# Altium PCB AL115v20_pcb.PcbDoc (part 1 of 2)
Units mm, origin at the board's own origin, x right, y up, seen from the top; angles counter-clockwise.
Board outline 108 x 108 mm, 2 copper layers (Top Layer, Bottom Layer); 126 components, 100 nets, 340 pads, 31 vias.
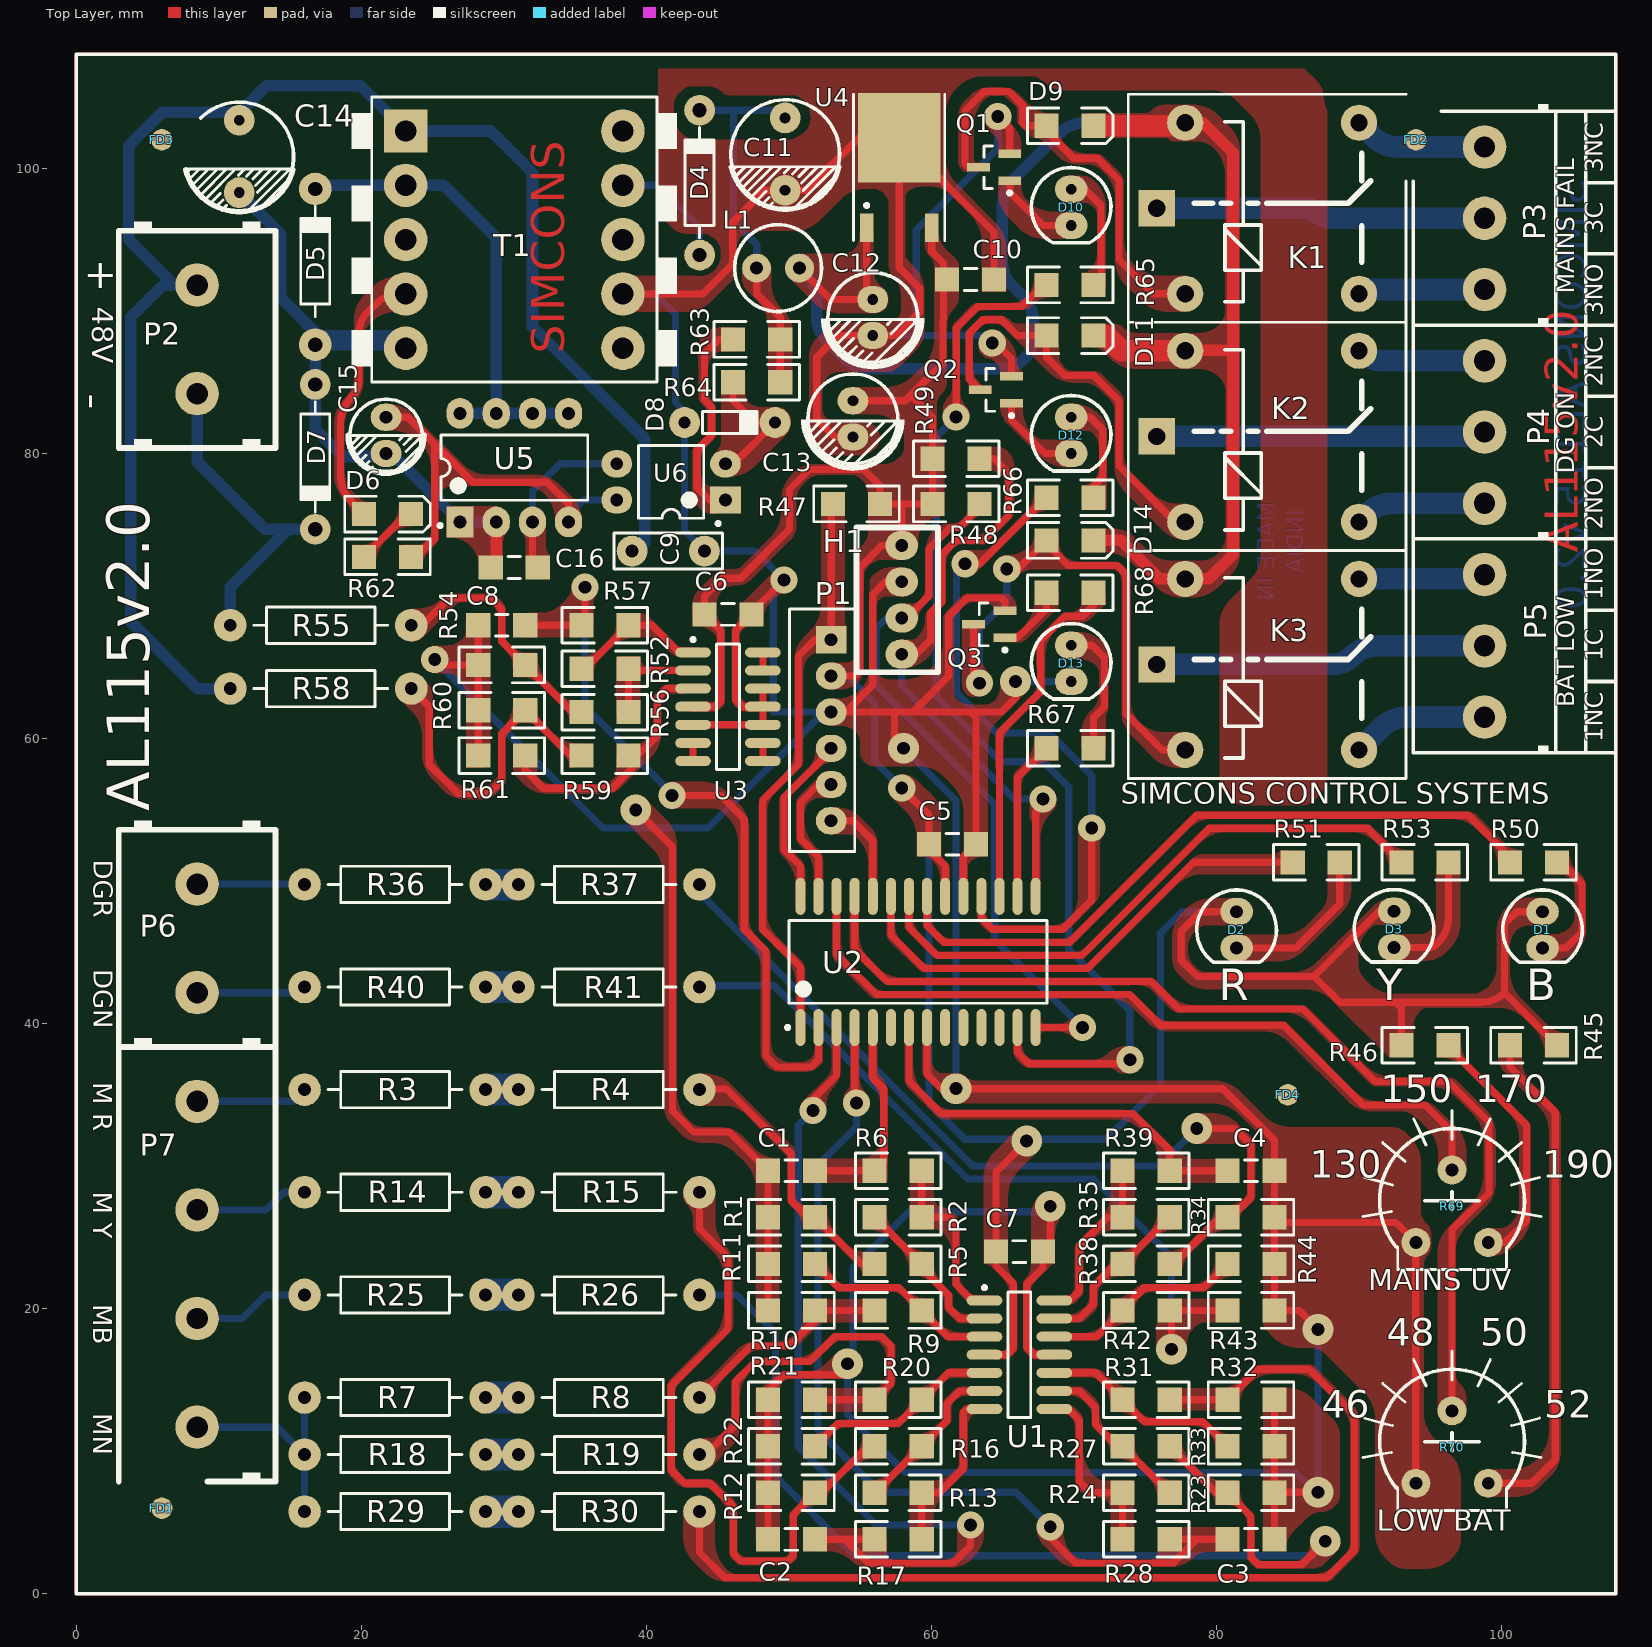
[diagram p0: Top Layer view]
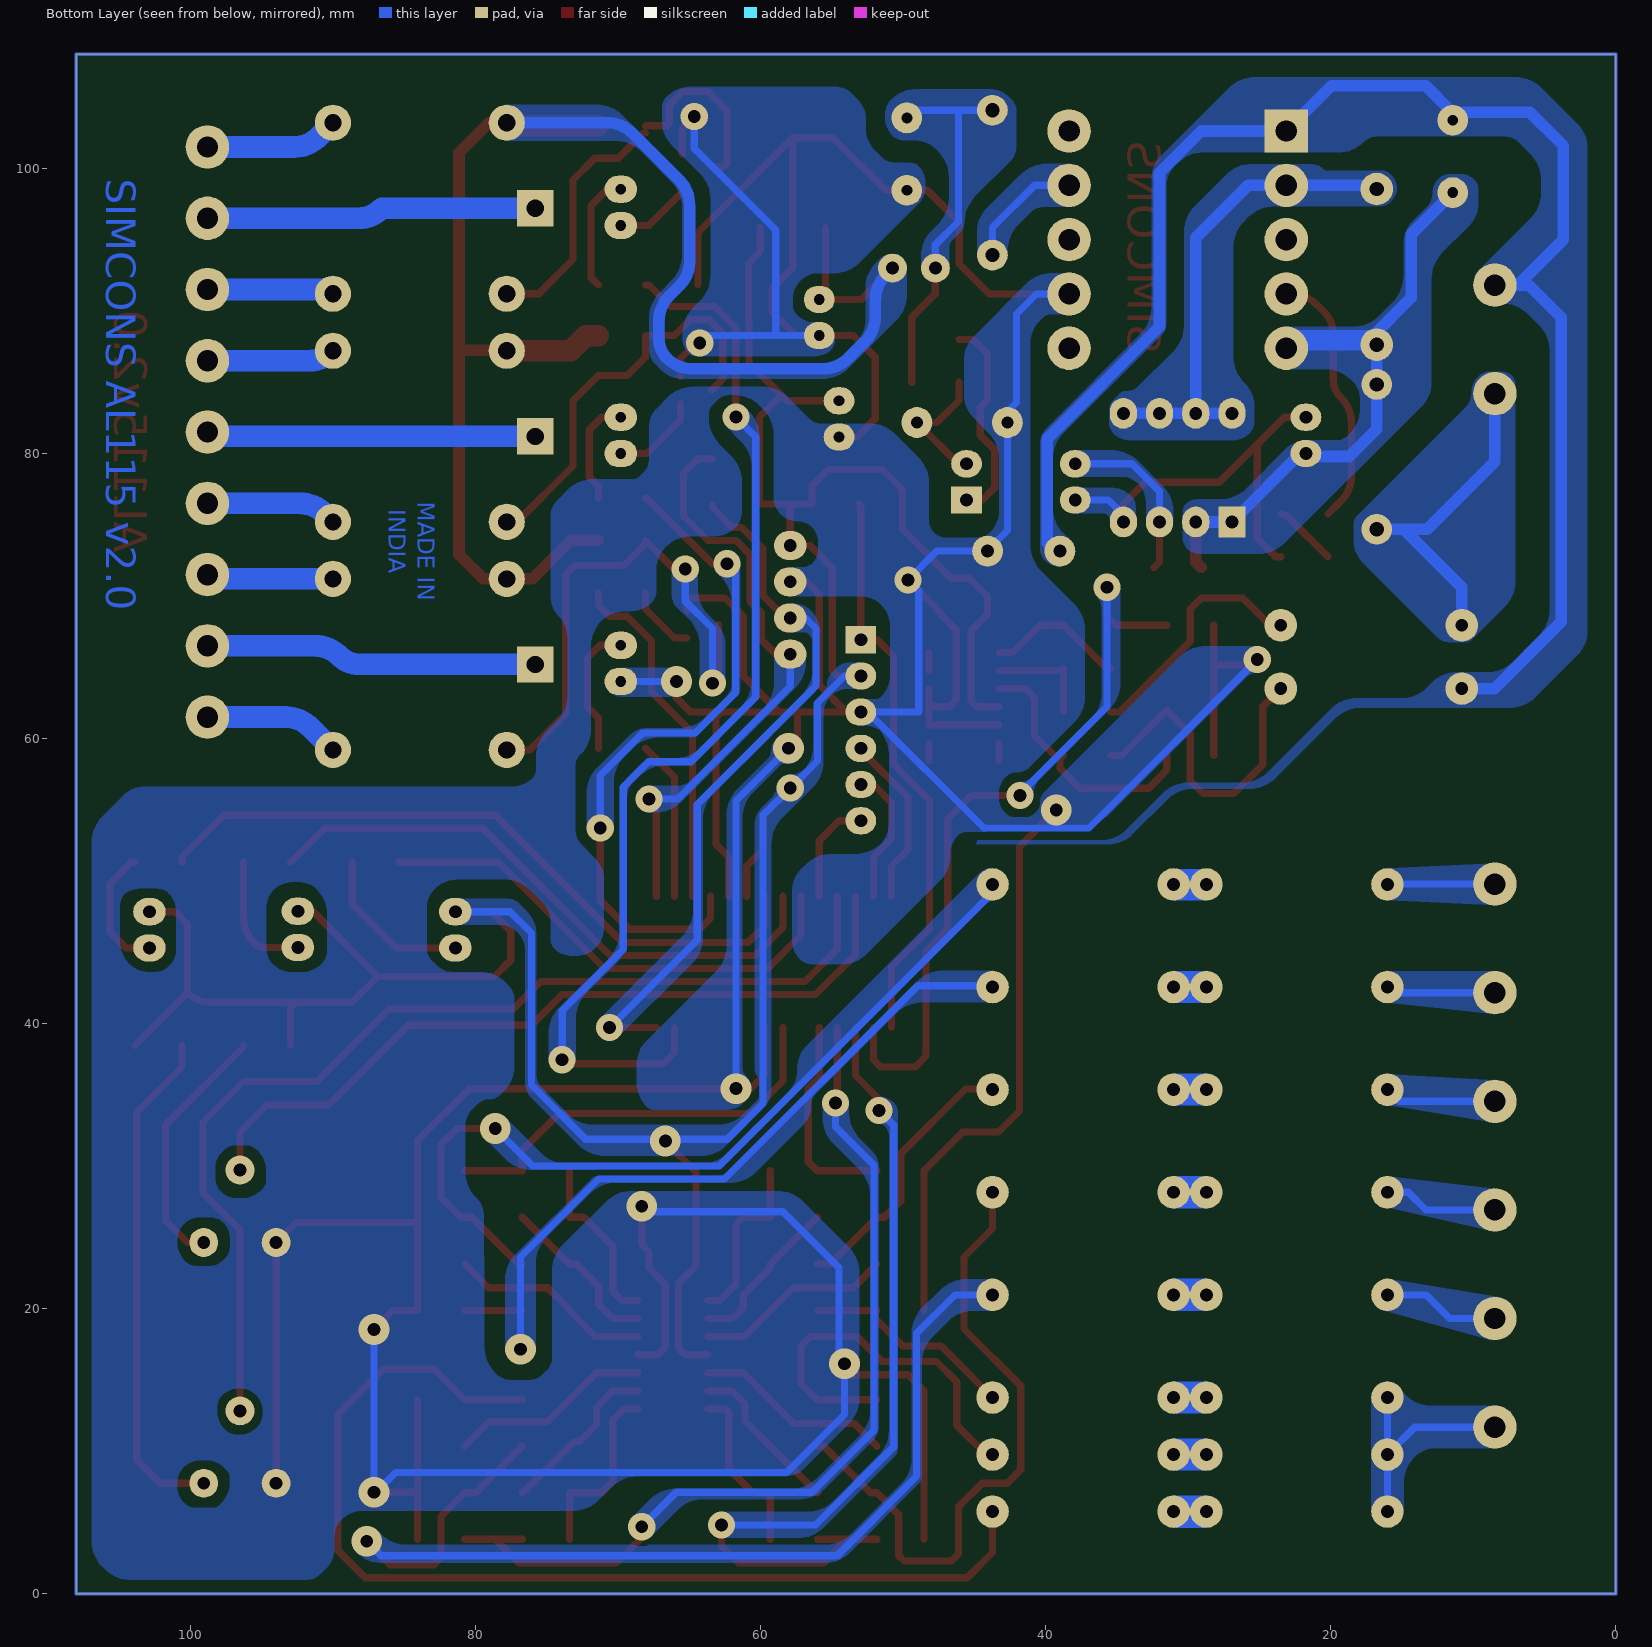
[diagram p1: Bottom Layer view, seen from below]

## Layer stack, top to bottom
Top Solder: solder mask 0.0102, Solder Resist, Dk 3.5
Top Layer: signal copper 0.0356
Dielectric 1: dielectric 0.32, FR-4, Dk 4.8
Bottom Layer: signal copper 0.0356
Bottom Solder: solder mask 0.0102, Solder Resist, Dk 3.5

## Board outline
0,0 108,0 108,108 0,108

## Design rules (kind name [scope] priority, off if disabled: settings)
Clearance [All] p1: gap=0.406 ignorepadtopadclearanceinfootprint=FALSE
ComponentClearance [All] p1 off: gap=0.254 collisioncheckmode=3 verticalgap=0.254 showdistances=FALSE
PolygonConnect [All] p1: connectstyle=Direct reliefconductorwidth=0.254 reliefentries=4 polygonreliefangle="90 Angle" airgapwidth=0.254
RoutingVias [All] p1: holewidth=0.9 width=1.905 viastyle="Through Hole" minholewidth=0.5 minwidth=1.27 maxholewidth=3 maxwidth=3.048
SilkToSilkClearance [All] p1 off: silktosilkclearance=0.254
SolderMaskExpansion [All] p1: expansion=0.102
Width [All] p1: maxlimit=2.54 minlimit=0.254 preferedwidth=0.61
28 further rules are at their usual default settings.

## Components (designator, comment, footprint, x,y, rotation, side; value= is the part's Value field where it differs from the comment)
C1 "1uF 1206" C1206 50.173,29.67 r180 top value=10uF/63V
C2 "1uF 1206" C1206 50.173,3.81 r180 top value=10uF/63V
C3 "1uF 1206" C1206 82.415,3.81 r0 top value=10uF/63V
C4 "1uF 1206" C1206 82.415,29.67 r0 top value=10uF/63V
C5 ".1uF 1206" C1206 61.468,52.578 r180 top value=100pF
C6 ".1uF 1206" C1206 45.72,68.707 r180 top value=100pF
C7 ".1uF 1206" C1206 66.167,24 r180 top value=100pF
C8 "1uF 1206" C1206 29.845,67.945 r0 top value=100pF
C9 "2.2nF/2kV" "CAP DISC .2" 41.529,73.152 r180 top value=2.2nF/2KV
C10 ".1uF 1206" C1206 62.738,92.202 r180 top value=15nF
C11 "470uF/25V" Cap_.2 49.73,101 r0 top value=250uF/25V
C12 "100uF/25V" Cap_.6.3x11x2.5 55.88,89.535 r0 top
C13 "100uF/25V" Cap_.6.3x11x2.5 54.483,82.423 r0 top value=47uF/25V
C14 "22uF/100V" Cap_.2 11.43,100.838 r0 top
C15 "10uF/63V" Cap_.1 21.73,81.27 r0 top value=2.2uF
C16 "47nF 1206" C1206 30.73,72 r180 top value=47nF
D1 "LED W/B 5MM" LED5mmBLUE 102.87,46.578 r0 top
D2 "LED W/R 5MM" LED5mmRED 81.407,46.578 r0 top
D3 "LED W/Y 5MM" LED5mmYELLOW 92.456,46.609 r0 top
D4 "UF4007" DIODE1A#1 43.73,99 r90 top
D5 "P6KE180A" DIODE1A#2 16.764,93.472 r90 top
D6 "1N4148 SMD" 4148SMDW 21.83,75.742 r180 top
D7 "1N4007" DIODE1A#1 16.764,79.756 r270 top
D8 "Zenor 11V .5W" "DZENOR .25W - duplicate" 45.847,82.169 r0 top
D9 "1N4148 SMD" 4148SMDW 69.723,102.997 r180 top
D10 "LED R/R 5MM" LEDSMALL 69.8,97.266 r0 top locked
D11 "1N4148 SMD" 4148SMDW 69.723,88.265 r180 top
D12 "LED R/R 5MM" LEDSMALL 69.8,81.266 r0 top locked
D13 "LED R/R 5MM" LEDSMALL 69.8,65.266 r0 top locked
D14 "1N4148 SMD" 4148SMDW 69.723,73.897 r180 top
FD1 "Fiducial - Round" "FIDUCIAL 2mm" 6,6 r180 top locked
FD2 "Fiducial - Round" "FIDUCIAL 2mm" 94,102 r180 top locked
FD3 "Fiducial - Round" "FIDUCIAL 2MM" 6,102 r180 top locked
FD4 "Fiducial - Round" "FIDUCIAL 2MM" 85,35 r180 top locked
H1 "Header 4" CONNDEBUG 57.912,69.723 r180 top
K1 "Relay" RELAY 77.8,91.2 r0 top
K2 "Relay" RELAY 77.8,75.2 r0 top
K3 "Relay" RELAY 77.8,59.2 r0 top locked
L1 "Inductor 10uH Drum Core" "INDUCTOR 5x8" 49.23,93 r0 top value=10uH
P1 "ICSP 6PIN CON" CON_ICSP 52.959,66.929 r270 top
P2 "XY7501 2PIN" XY7501_7.62_2PIN 8.476,88 r180 top
P3 "XY128 3PIN" XY128_5.08_3PIN 98.8,96.5 r270 top
P4 "XY128 3PIN" XY128_5.08_3PIN 98.8,81.5 r270 top
P5 "XY128 3PIN" XY128_5.08_3PIN 98.8,66.5 r270 top locked
P6 "XY7501 2PIN" XY7501_7.62_2PIN 8.476,45.974 r180 top
P7 "XY7501 2PIN x2" XY7501_7.62_4PIN 8.476,15.494 r180 top
Q1 "MMBT3904" SOT23_M 64.389,100.076 r180 top
Q2 "MMBT3904" SOT23_M 64.516,84.455 r180 top
Q3 "MMBT3904" SOT23_M 64.051,68.006 r180 top
R1 "4.7K 1206" R1206 50.173,26.404 r180 top value=4.7K
R2 "1M 1206" R1206 57.658,26.404 r180 top value=1M
R3 "MFR 1M .5W" AXIAL-0.5 22.365,35.362 r0 top value=1M
R4 "MFR 1M .5W" AXIAL-0.5 37.365,35.362 r0 top value=1M
R5 "220K 1206" R1206 57.658,23.139 r180 top value=220K
R6 "470K 1206" R1206 57.658,29.67 r0 top value=33K
R7 "MFR 1M .5W" AXIAL-0.5 22.365,13.762 r0 top value=1M
R8 "MFR 1M .5W" AXIAL-0.5 37.365,13.762 r0 top value=1M
R9 "220K 1206" R1206 57.658,19.873 r180 top value=220K
R10 "4.7K 1206" R1206 50.173,19.873 r180 top value=4.7K
R11 "1M 1206" R1206 50.173,23.139 r180 top value=1M
R12 "4.7K 1206" R1206 50.173,7.076 r180 top value=4.7K
R13 "1M 1206" R1206 57.658,7.076 r180 top value=1M
R14 "MFR 1M .5W" AXIAL-0.5 22.365,28.162 r0 top value=1M
R15 "MFR 1M .5W" AXIAL-0.5 37.365,28.162 r0 top value=1M
R16 "220K 1206" R1206 57.658,10.341 r180 top value=220K
R17 "470K 1206" R1206 57.658,3.81 r0 top value=33K
R18 "MFR 1M .5W" AXIAL-0.5 22.365,9.762 r0 top value=1M
R19 "MFR 1M .5W" AXIAL-0.5 37.365,9.762 r0 top value=1M
R20 "220K 1206" R1206 57.658,13.607 r180 top value=220K
R21 "4.7K 1206" R1206 50.173,13.607 r180 top value=4.7K
R22 "1M 1206" R1206 50.173,10.341 r180 top value=1M
R23 "4.7K 1206" R1206 82.415,7.076 r0 top value=4.7K
R24 "1M 1206" R1206 75.057,7.076 r0 top value=1M
R25 "MFR 1M .5W" AXIAL-0.5 22.365,20.962 r0 top value=1M
R26 "MFR 1M .5W" AXIAL-0.5 37.365,20.962 r0 top value=1M
R27 "220K 1206" R1206 75.057,10.341 r0 top value=220K
R28 "470K 1206" R1206 75.057,3.81 r180 top value=33K
R29 "MFR 1M .5W" AXIAL-0.5 22.365,5.762 r0 top value=1M
R30 "MFR 1M .5W" AXIAL-0.5 37.365,5.762 r0 top value=1M
R31 "220K 1206" R1206 75.057,13.607 r0 top value=220K
R32 "4.7K 1206" R1206 82.415,13.607 r0 top value=4.7K
R33 "1M 1206" R1206 82.415,10.341 r0 top value=1M
R34 "4.7K 1206" R1206 82.415,26.404 r0 top value=4.7K
R35 "1M 1206" R1206 75.057,26.404 r0 top value=1M
R36 "MFR 1M .5W" AXIAL-0.5 22.365,49.762 r0 top value=1M
R37 "MFR 1M .5W" AXIAL-0.5 37.365,49.762 r0 top value=1M
R38 "220K 1206" R1206 75.057,23.139 r0 top value=220K
R39 "470K 1206" R1206 75.057,29.67 r180 top value=33K
R40 "MFR 1M .5W" AXIAL-0.5 22.365,42.562 r0 top value=1M
R41 "MFR 1M .5W" AXIAL-0.5 37.365,42.562 r0 top value=1M
R42 "220K 1206" R1206 75.057,19.873 r0 top value=220K
R43 "4.7K 1206" R1206 82.415,19.873 r0 top value=4.7K
R44 "1M 1206" R1206 82.415,23.139 r0 top value=1M
R45 "1K 1206" R1206 102.235,38.481 r0 top value=1.1K
R46 "1K 1206" R1206 94.615,38.481 r180 top value=1.1K
R47 "4.7K 1206" R1206 54.737,76.454 r180 top value=470E
R48 "4.7K 1206" R1206 61.722,76.454 r0 top value=1k
R49 "4.7K 1206" R1206 61.722,79.629 r0 top value=1k
R50 "1K 1206" R1206 102.235,51.308 r0 top value=330E
R51 "1K 1206" R1206 86.995,51.308 r0 top value=330E
R52 "1M 1206" R1206 37.084,64.897 r0 top value=100K
R53 "1K 1206" R1206 94.615,51.308 r0 top value=330E
R54 "47K 1206" R1206 29.845,65.164 r0 top value=470E
R55 "MFR 1M .5W" AXIAL-0.5 17.145,67.945 r180 top value=100K
R56 "1M 1206" R1206 37.084,61.849 r180 top value=100K
R57 "470K 1206" R1206 37.084,67.945 r180 top value=470E
R58 "MFR 1M .5W" AXIAL-0.5 17.145,63.5 r180 top value=100K
R59 "1M 1206" R1206 37.084,58.801 r180 top value=100K
R60 "47K 1206" R1206 29.845,61.982 r180 top value=470E
R61 "1M 1206" R1206 29.845,58.801 r180 top value=100K
R62 "10E 1206" R1206 21.83,72.742 r180 top value=10E
R63 "100E 1206" R1206 47.73,88 r0 top value=680E
R64 "1K 1206" R1206 47.73,85 r0 top value=1K
R65 "330E 1206" R1206 69.723,91.821 r180 top value=33K
R66 "330E 1206" R1206 69.723,76.897 r180 top value=33K
R67 "330E 1206" R1206 69.723,59.309 r0 top value=33K
R68 "4.7K 1206" R1206 69.723,70.231 r0 top value=33K
R69 "PRESET 5K" Bourns_3306F 96.52,27.178 r0 top value=5K
R70 "PRESET 5K" Bourns_3306F 96.52,10.287 r0 top value=5K
T1 "EE20 10PIN HORIZONTAL" EE20_HOR_10PIN 30.73,95 r0 top
U1 "LM324D" SOIC14_M 66.167,16.764 r0 top
U2 "PIC16F886-I/SP" SOIC-SO28_M 59.055,44.323 r90 top
U3 "LM324D" SOIC14_M 45.72,62.23 r0 top
U4 "µA78M05CKTPR" TO252AA 57.73,99 r0 top
U5 "VIPER22" DIP-8_S 30.73,79 r90 top
U6 "PC817 COSMO" DIP-4_S 41.73,78 r180 top

## Footprints (in the part's own frame and the unit in brackets; to place one, negate y for a bottom-side part, rotate by r counter-clockwise, add the part's x,y. Pads: shape width x height; smd on the part's side, far side on the other; paste and mask are expansions set on the pad)
4148SMDW [mm] "Diode 250mA"
  rect 1.7x1.7 smd: 1(1.65,0) 2(-1.65,0)
  silkscreen extent -3,-1.25 3,1.25, body extent -1.88,-0.8 1.82,0.8, height 1.6
AXIAL-0.5 [mil] "Axial Device, Thru-Hole; 2 Leads; 0.5 in Pin Spacing"
  round 90 hole 35.43: 1(-250,0) 2(250,0)
  silkscreen extent -185,-50 185,50, body extent -261,-69 261,69, height 153
Bourns_3306F [mil]
  round 80 hole 35.43: 1(100,-100) 2(0,100) 3(-100,-100)
  silkscreen extent -246,-175 246,265, body extent -135,-177 133,147, height 300
C1206 [mm] "Chip Capacitor, Body 3.2x1.6mm, IPC High Density"
  rect 1.7x1.7 smd: 1(-1.65,0) 2(1.65,0)
  silkscreen extent -0.44,-0.76 0.44,0.76, body extent -1.6,-0.8 1.6,0.8, height 1
"CAP DISC .2" [mil] "Multi Layer Capacitor"
  round 85 hole 35.43: 1(-100,0) 2(100,0)
  silkscreen extent -150,-50 150,50, body extent -158,-50 157,48, height 413
Cap_.1 [mm]
  oval 2.159x1.905 hole 0.9: 1(0,1.27) 2(0,-1.27)
  silkscreen extent -2.67,-2.67 2.67,2.54, body extent -2.54,-2.54 2.54,2.54, height 12.7
Cap_.2 [mil]
  round 85 hole 30: 1(0,100) 2(0,-100)
  silkscreen extent -151,-155 151,150, body extent -157,-157 157,157, height 462
Cap_.6.3x11x2.5 [mil]
  oval 85x75 hole 30: 1(0,50) 2(0,-50)
  silkscreen extent -143,-136 143,124, body extent -126,-124 125,127, height 444
CON_ICSP [mm] "Connector; Header; 6 Position"
  rect 1.905x2.159 hole 0.9: 1(0,0)
  oval 1.905x2.159 hole 0.9: 2(2.54,0) 3(5.08,0) 4(7.62,0) 5(10.16,0) 6(12.7,0)
  silkscreen extent -2.16,-2.92 14.86,1.65, body extent -2.35,-3.1 15.05,1.8, height 5.95
CONNDEBUG [mil] "Debug Connector"
  oval 90x80 hole 35.43: 1(0,150) 2(0,50) 3(0,-50) 4(0,-150)
  silkscreen extent -100,-200 125,200, body extent -98,-200 130,200, height 459
DIODE1A#1 [mil] "DIODE 1 AMPERE"
  round 85 hole 39.37: 1(-200,0) 2(200,0)
  silkscreen extent -152,-40 152,40, body extent -217,-54 217,54, height 107
DIODE1A#2 [mil] "DIODE 1 AMPERE"
  round 90 hole 39.37: 1(-230,0) 2(200,0)
  silkscreen extent -152,-40 152,40, body extent -217,-54 217,54, height 107
DIP-4_S [mm] "DIP; 4 Leads; Row Spacing 7.62 mm; Pitch 2.54 mm"
  rect 2.159x1.905 hole 0.9: 1(-3.81,1.27)
  oval 2.159x1.905 hole 0.9: 2(-3.81,-1.27) 3(3.81,-1.27) 4(3.81,1.27)
  silkscreen extent -3.43,-2.55 2.29,3.05, body extent -4,-2.79 4,2.75, height 4.31
DIP-8_S [mm] "DIP; 8 Leads; Row Spacing 7.62 mm; Pitch 2.54 mm"
  rect 2.159x1.905 hole 0.9: 1(-3.81,3.81)
  oval 2.159x1.905 hole 0.9: 2(-3.81,1.27) 3(-3.81,-1.27) 4(-3.81,-3.81) 5(3.81,-3.81) 6(3.81,-1.27) 7(3.81,1.27) 8(3.81,3.81)
  silkscreen extent -4.19,-5.15 2.29,5.33, body extent -4.13,-5.06 4.13,4.94, height 5.1
"DZENOR .25W - duplicate" [mil] "Axial Device, Thru-Hole; 2 Leads; 0.3 in Pin Spacing"
  round 85 hole 33.46: 1(-125,0) 2(125,0)
  silkscreen extent -75,-30 75,30, body extent -139,-35 139,35, height 74
EE20_HOR_10PIN [mil] "EE25 Bobbin 8 pin Horizontal"
  rect 120x120 hole 59.06: 1(-300,300)
  round 120 hole 59.06: 2(-300,150) 3(-300,0) 4(-300,-150) 5(-300,-300) 6(300,-300) 7(300,-150) 8(300,0) 9(300,150) 10(300,300)
  silkscreen extent -450,-394 450,394, body extent -484,-394 484,394, height 600
"FIDUCIAL 2mm" [mm]
  round 1.5 smd paste-1.5 mask+1.1: ""(0,0)
"FIDUCIAL 2MM" [mm]
  round 1.5 smd paste-1.5 mask+1.1: ""(0,0)
"INDUCTOR 5x8" [mm]
  round 2.032 hole 0.9: 1(-1.5,0) 2(1.5,0)
  silkscreen extent -3.04,-3.05 3.05,3.05, body extent -3.5,-3.6 3.5,3.4, height 8.12
LED5mmBLUE [mm]
  oval 2.286x1.905 hole 0.9: 1(0,1.27) 2(0,-1.27)
  silkscreen extent -2.79,-2.29 2.79,2.79, body extent -3.01,-2.44 3.01,2.98, height 12.31
LED5mmRED [mm]
  oval 2.286x1.905 hole 0.9: 1(0,1.27) 2(0,-1.27)
  silkscreen extent -2.79,-2.29 2.79,2.79, body extent -3.01,-2.44 3.01,2.98, height 12.31
LED5mmYELLOW [mm]
  oval 2.286x1.905 hole 0.9: 1(0,1.27) 2(0,-1.27)
  silkscreen extent -2.79,-2.29 2.79,2.79, body extent -2.92,-2.47 2.98,2.98, height 11.25
LEDSMALL [mil]
  oval 90x75 hole 30: 1(0,50) 2(0,-50)
  silkscreen extent -110,-98 110,110, body extent -109,-110 110,110, height 340
R1206 [mm] "Chip Capacitor, Body 3.2x1.6mm, IPC High Density"
  rect 1.7x1.7 smd: 1(-1.65,0) 2(1.65,0)
  silkscreen extent -3,-1.25 3,1.25, body extent -1.59,-0.77 1.59,0.77, height 0.63